# KiCad board Si5351ABreakout_panel.kicad_pcb (continued)
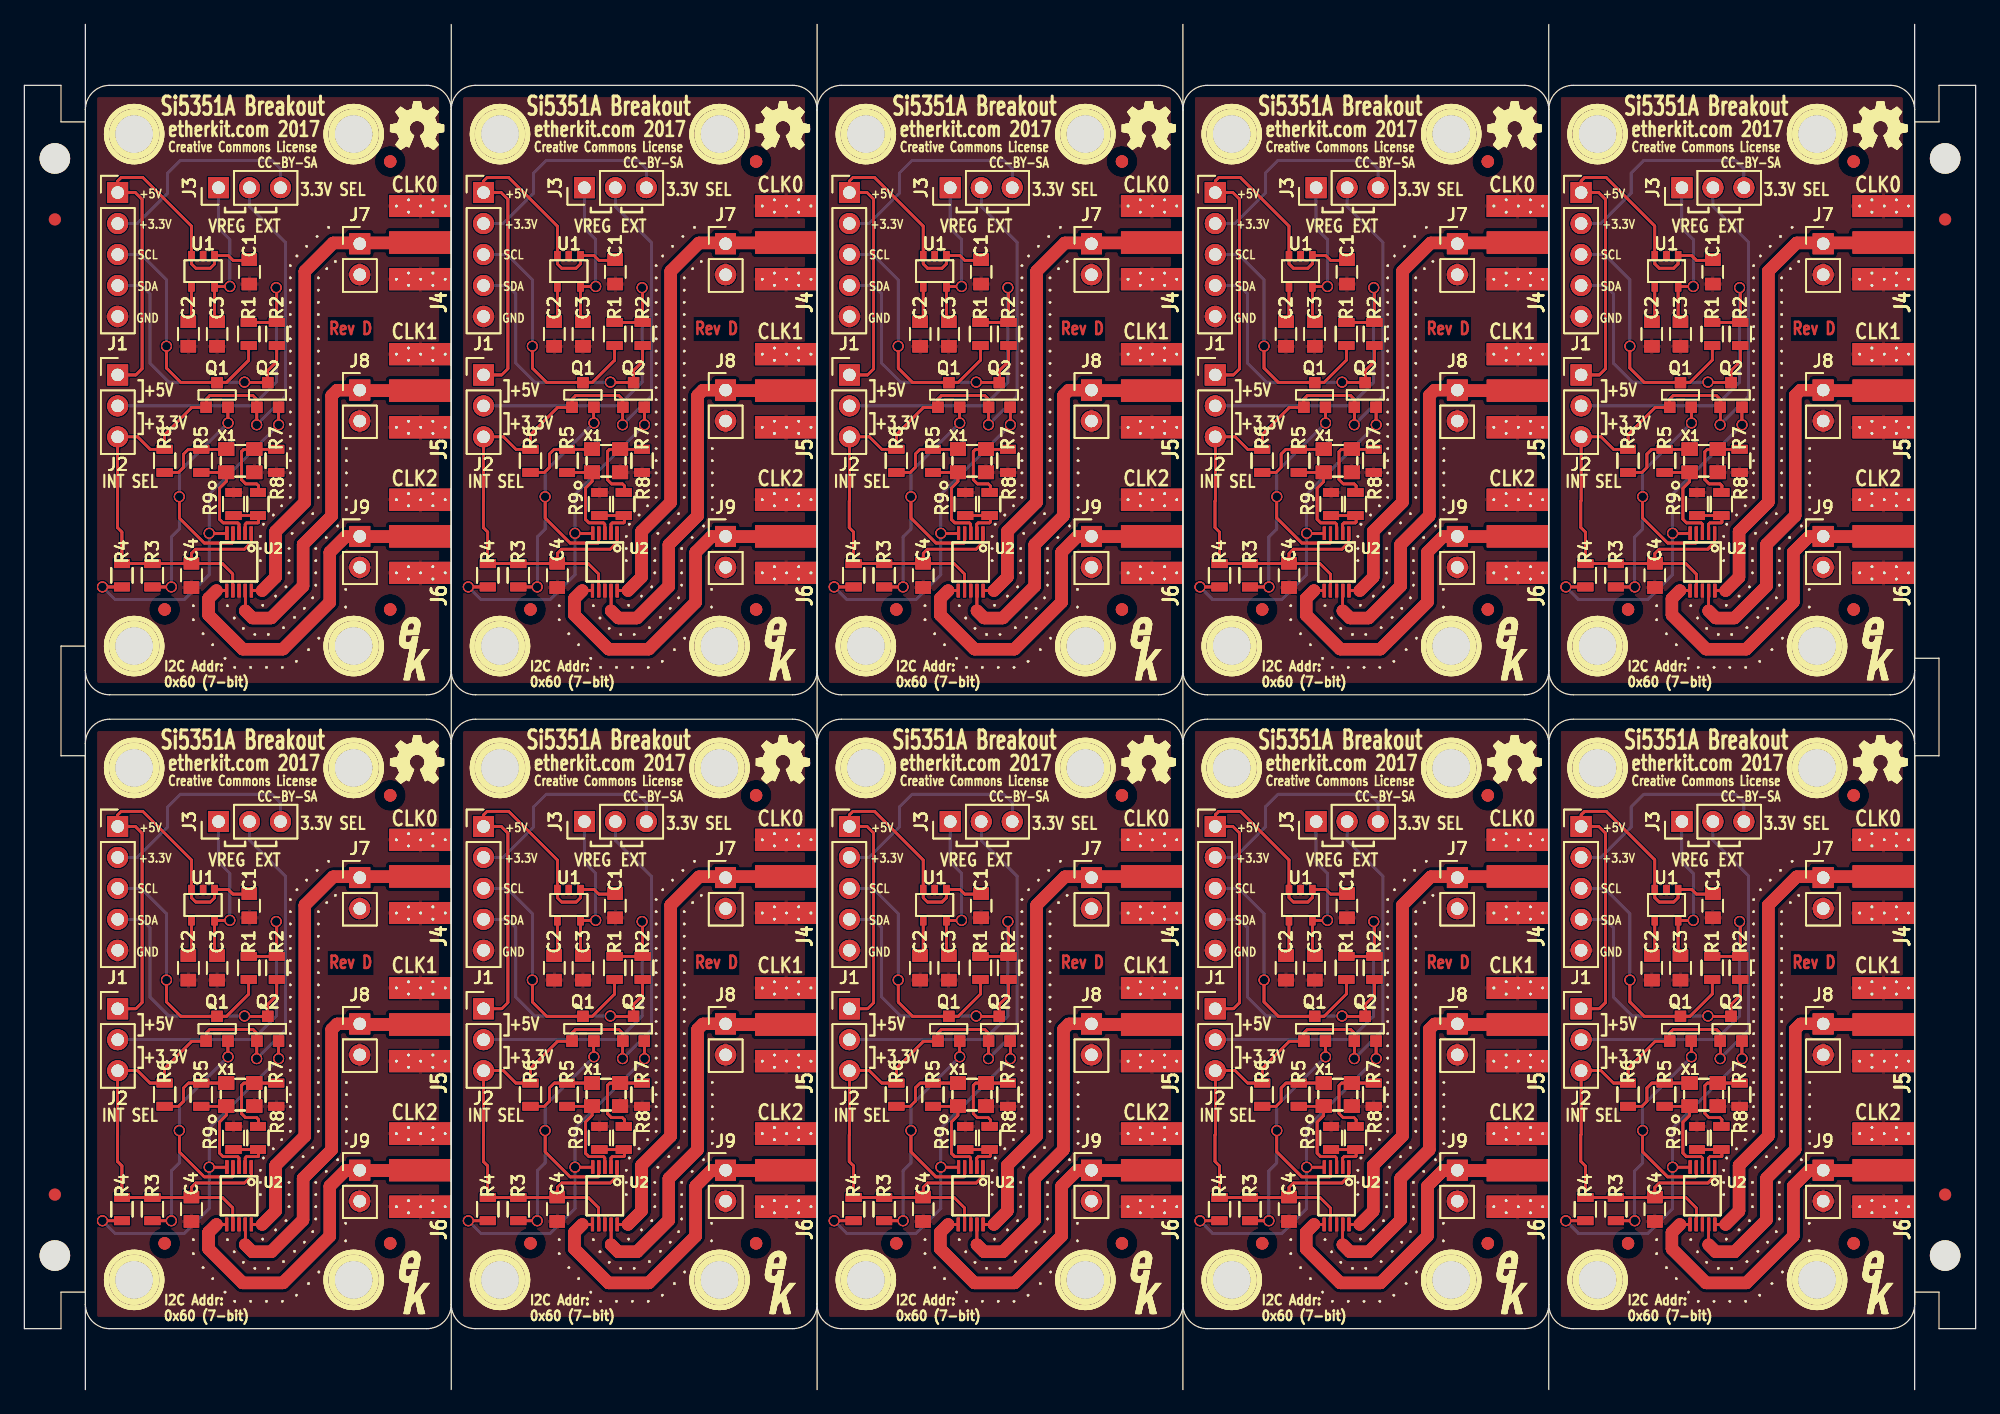
[diagram p0: board, top side]
## Placement (name value [footprint] x y rotation side) (continued)
VIA#1909  VAL**  [VIA]  82.15 11.35 0 top
VIA#1910  VAL**  [VIA]  81.25 10.5 0 top
VIA#1911  VAL**  [VIA]  82.15 11.35 0 top
VIA#1912  VAL**  [VIA]  81.25 10.5 0 top
VIA#1913  VAL**  [VIA]  81.25 10.5 0 top
VIA#1914  VAL**  [VIA]  80 9.95 0 top
VIA#1915  VAL**  [VIA]  80 9.95 0 top
VIA#1916  VAL**  [VIA]  80 9.95 0 top
VIA#1917  VAL**  [VIA]  80 9.95 0 top
VIA#1918  VAL**  [VIA]  81.15 7.25 0 top
VIA#1919  VAL**  [VIA]  82.3 7.75 0 top
VIA#1920  VAL**  [VIA]  81.15 7.25 0 top
VIA#1921  VAL**  [VIA]  82.3 7.75 0 top
VIA#1922  VAL**  [VIA]  82.3 7.75 0 top
VIA#1923  VAL**  [VIA]  82.3 7.75 0 top
VIA#1924  VAL**  [VIA]  55.7 18.85 0 top
VIA#1925  VAL**  [VIA]  55.7 18.85 0 top
VIA#1926  VAL**  [VIA]  55.7 18.85 0 top
VIA#1927  VAL**  [VIA]  54.75 17.9 0 top
VIA#1928  VAL**  [VIA]  54.75 17.9 0 top
VIA#1929  VAL**  [VIA]  54.75 17.9 0 top
VIA#1930  VAL**  [VIA]  54.75 17.9 0 top
VIA#1931  VAL**  [VIA]  56.4 22.2 0 top
VIA#1932  VAL**  [VIA]  56.4 24.2 0 top
VIA#1933  VAL**  [VIA]  56.4 23.2 0 top
VIA#1934  VAL**  [VIA]  56.4 24.2 0 top
VIA#1935  VAL**  [VIA]  56.4 23.2 0 top
VIA#1936  VAL**  [VIA]  56.4 24.2 0 top
VIA#1937  VAL**  [VIA]  56.4 23.2 0 top
VIA#1938  VAL**  [VIA]  56.4 22.2 0 top
VIA#1939  VAL**  [VIA]  56.4 25.2 0 top
VIA#1940  VAL**  [VIA]  56.4 25.2 0 top
VIA#1941  VAL**  [VIA]  56.4 25.2 0 top
VIA#1942  VAL**  [VIA]  55.7 18.85 0 top
VIA#1943  VAL**  [VIA]  56.4 21.2 0 top
VIA#1944  VAL**  [VIA]  56.4 20.2 0 top
VIA#1945  VAL**  [VIA]  56.4 21.2 0 top
VIA#1946  VAL**  [VIA]  56.4 21.2 0 top
VIA#1947  VAL**  [VIA]  56.4 21.2 0 top
VIA#1948  VAL**  [VIA]  56.4 20.2 0 top
VIA#1949  VAL**  [VIA]  56.4 20.2 0 top
VIA#1950  VAL**  [VIA]  56.4 20.2 0 top
VIA#1951  VAL**  [VIA]  56.35 13.65 0 top
VIA#1952  VAL**  [VIA]  56.35 12.2 0 top
VIA#1953  VAL**  [VIA]  56.35 13.65 0 top
VIA#1954  VAL**  [VIA]  56.35 13.65 0 top
VIA#1955  VAL**  [VIA]  56.35 12.2 0 top
VIA#1956  VAL**  [VIA]  56.35 13.65 0 top
VIA#1957  VAL**  [VIA]  56.35 12.2 0 top
VIA#1958  VAL**  [VIA]  56.35 12.2 0 top
VIA#1959  VAL**  [VIA]  73.85 12.3 0 top
VIA#1960  VAL**  [VIA]  79.35 16 0 top
VIA#1961  VAL**  [VIA]  79.35 16 0 top
VIA#1962  VAL**  [VIA]  80.6 13.1 0 top
VIA#1963  VAL**  [VIA]  80.6 13.1 0 top
VIA#1964  VAL**  [VIA]  80.6 13.1 0 top
VIA#1965  VAL**  [VIA]  81.45 13.85 0 top
VIA#1966  VAL**  [VIA]  81.45 13.85 0 top
VIA#1967  VAL**  [VIA]  80.6 13.1 0 top
VIA#1968  VAL**  [VIA]  81.45 13.85 0 top
VIA#1969  VAL**  [VIA]  81.45 13.85 0 top
VIA#1970  VAL**  [VIA]  81.7 15 0 top
VIA#1971  VAL**  [VIA]  81.7 15 0 top
VIA#1972  VAL**  [VIA]  81.7 16 0 top
VIA#1973  VAL**  [VIA]  81.7 15 0 top
VIA#1974  VAL**  [VIA]  81.7 15 0 top
VIA#1975  VAL**  [VIA]  81.7 16 0 top
VIA#1976  VAL**  [VIA]  81.7 16 0 top
VIA#1977  VAL**  [VIA]  79.35 16 0 top
VIA#1978  VAL**  [VIA]  79.35 17 0 top
VIA#1979  VAL**  [VIA]  81.7 17 0 top
VIA#1980  VAL**  [VIA]  81.7 16 0 top
VIA#1981  VAL**  [VIA]  79.35 16 0 top
VIA#1982  VAL**  [VIA]  79.35 17 0 top
VIA#1983  VAL**  [VIA]  79.35 17 0 top
VIA#1984  VAL**  [VIA]  79.35 18 0 top
VIA#1985  VAL**  [VIA]  79.35 18 0 top
VIA#1986  VAL**  [VIA]  79.35 17 0 top
VIA#1987  VAL**  [VIA]  75.45 9.1 0 top
VIA#1988  VAL**  [VIA]  75.45 9.1 0 top
VIA#1989  VAL**  [VIA]  75.45 9.1 0 top
VIA#1990  VAL**  [VIA]  74.65 10 0 top
VIA#1991  VAL**  [VIA]  75.45 9.1 0 top
VIA#1992  VAL**  [VIA]  74.65 10 0 top
VIA#1993  VAL**  [VIA]  77.25 7.25 0 top
VIA#1994  VAL**  [VIA]  76.45 8 0 top
VIA#1995  VAL**  [VIA]  76.45 8 0 top
VIA#1996  VAL**  [VIA]  77.25 7.25 0 top
VIA#1997  VAL**  [VIA]  76.45 8 0 top
VIA#1998  VAL**  [VIA]  77.25 7.25 0 top
VIA#1999  VAL**  [VIA]  76.45 8 0 top
VIA#2000  VAL**  [VIA]  77.2 11.3 0 top
VIA#2001  VAL**  [VIA]  76.65 12.3 0 top
VIA#2002  VAL**  [VIA]  77.2 11.3 0 top
VIA#2003  VAL**  [VIA]  76.65 12.3 0 top
VIA#2004  VAL**  [VIA]  76.65 12.3 0 top
VIA#2005  VAL**  [VIA]  77.2 11.3 0 top
VIA#2006  VAL**  [VIA]  77.2 11.3 0 top
VIA#2007  VAL**  [VIA]  76.65 12.3 0 top
VIA#2008  VAL**  [VIA]  74.65 10 0 top
VIA#2009  VAL**  [VIA]  74.65 10 0 top
VIA#2010  VAL**  [VIA]  73.85 11.15 0 top
VIA#2011  VAL**  [VIA]  73.85 11.15 0 top
VIA#2012  VAL**  [VIA]  73.85 11.15 0 top
VIA#2013  VAL**  [VIA]  73.85 11.15 0 top
VIA#2014  VAL**  [VIA]  73.85 12.3 0 top
VIA#2015  VAL**  [VIA]  73.85 12.3 0 top
VIA#2016  VAL**  [VIA]  73.85 12.3 0 top
VIA#2017  VAL**  [VIA]  77.25 7.25 0 top
VIA#2018  VAL**  [VIA]  78.55 7.25 0 top
VIA#2019  VAL**  [VIA]  78.55 7.25 0 top
VIA#2020  VAL**  [VIA]  78.55 7.25 0 top
VIA#2021  VAL**  [VIA]  78.55 7.25 0 top
VIA#2022  VAL**  [VIA]  77.95 10.45 0 top
VIA#2023  VAL**  [VIA]  78.9 9.95 0 top
VIA#2024  VAL**  [VIA]  77.95 10.45 0 top
VIA#2025  VAL**  [VIA]  77.95 10.45 0 top
VIA#2026  VAL**  [VIA]  77.95 10.45 0 top
VIA#2027  VAL**  [VIA]  78.9 9.95 0 top
VIA#2028  VAL**  [VIA]  78.9 9.95 0 top
VIA#2029  VAL**  [VIA]  78.9 9.95 0 top
VIA#2030  VAL**  [VIA]  79.55 12.35 0 top
VIA#2031  VAL**  [VIA]  79.55 12.35 0 top
VIA#2032  VAL**  [VIA]  79.55 12.35 0 top
VIA#2033  VAL**  [VIA]  79.55 12.35 0 top
VIA#2034  VAL**  [VIA]  81.7 17 0 top
VIA#2035  VAL**  [VIA]  81.7 17 0 top
VIA#2036  VAL**  [VIA]  81.7 17 0 top
VIA#2037  VAL**  [VIA]  81.95 18.25 0 top
VIA#2038  VAL**  [VIA]  80.4 19.75 0 top
VIA#2039  VAL**  [VIA]  80.4 19.75 0 top
VIA#2040  VAL**  [VIA]  81.8 27.2 0 top
VIA#2041  VAL**  [VIA]  81.8 28.2 0 top
VIA#2042  VAL**  [VIA]  81.8 29.2 0 top
VIA#2043  VAL**  [VIA]  81.8 28.2 0 top
VIA#2044  VAL**  [VIA]  81.8 29.2 0 top
VIA#2045  VAL**  [VIA]  79.6 19 0 top
VIA#2046  VAL**  [VIA]  79.6 19 0 top
VIA#2047  VAL**  [VIA]  79.35 18 0 top
VIA#2048  VAL**  [VIA]  79.35 18 0 top
VIA#2049  VAL**  [VIA]  81.1 20.5 0 top
VIA#2050  VAL**  [VIA]  81.8 22.2 0 top
VIA#2051  VAL**  [VIA]  81.8 21.2 0 top
VIA#2052  VAL**  [VIA]  81.8 21.2 0 top
VIA#2053  VAL**  [VIA]  81.8 22.2 0 top
VIA#2054  VAL**  [VIA]  81.8 23.2 0 top
VIA#2055  VAL**  [VIA]  81.8 24.2 0 top
VIA#2056  VAL**  [VIA]  81.8 25.2 0 top
VIA#2057  VAL**  [VIA]  81.8 26.2 0 top
VIA#2058  VAL**  [VIA]  25.7 18.85 0 top
VIA#2059  VAL**  [VIA]  22.85 19.1 0 top
VIA#2060  VAL**  [VIA]  22.85 19.1 0 top
VIA#2061  VAL**  [VIA]  23.65 19.85 0 top
VIA#2062  VAL**  [VIA]  23.65 19.85 0 top
VIA#2063  VAL**  [VIA]  22.85 19.1 0 top
VIA#2064  VAL**  [VIA]  22.85 19.1 0 top
VIA#2065  VAL**  [VIA]  23.65 19.85 0 top
VIA#2066  VAL**  [VIA]  23.65 19.85 0 top
VIA#2067  VAL**  [VIA]  26.4 20.2 0 top
VIA#2068  VAL**  [VIA]  26.4 21.2 0 top
VIA#2069  VAL**  [VIA]  25.7 18.85 0 top
VIA#2070  VAL**  [VIA]  25.7 18.85 0 top
VIA#2071  VAL**  [VIA]  25.7 18.85 0 top
VIA#2072  VAL**  [VIA]  26.4 20.2 0 top
VIA#2073  VAL**  [VIA]  26.4 20.2 0 top
VIA#2074  VAL**  [VIA]  26.4 21.2 0 top
VIA#2075  VAL**  [VIA]  26.4 21.2 0 top
VIA#2076  VAL**  [VIA]  26.4 21.2 0 top
VIA#2077  VAL**  [VIA]  26.4 20.2 0 top
VIA#2078  VAL**  [VIA]  21.8 21.2 0 top
VIA#2079  VAL**  [VIA]  21.8 21.2 0 top
VIA#2080  VAL**  [VIA]  24.1 21.2 0 top
VIA#2081  VAL**  [VIA]  21.8 21.2 0 top
VIA#2082  VAL**  [VIA]  21.8 21.2 0 top
VIA#2083  VAL**  [VIA]  24.1 25.2 0 top
VIA#2084  VAL**  [VIA]  24.1 25.2 0 top
VIA#2085  VAL**  [VIA]  24.1 26.2 0 top
VIA#2086  VAL**  [VIA]  24.1 26.2 0 top
VIA#2087  VAL**  [VIA]  24.1 21.2 0 top
VIA#2088  VAL**  [VIA]  24.1 22.2 0 top
VIA#2089  VAL**  [VIA]  24.1 21.2 0 top
VIA#2090  VAL**  [VIA]  24.1 22.2 0 top
VIA#2091  VAL**  [VIA]  24.1 21.2 0 top
VIA#2092  VAL**  [VIA]  21.8 25.2 0 top
VIA#2093  VAL**  [VIA]  21.8 26.2 0 top
VIA#2094  VAL**  [VIA]  24.1 23.2 0 top
VIA#2095  VAL**  [VIA]  24.1 24.2 0 top
VIA#2096  VAL**  [VIA]  24.1 24.2 0 top
VIA#2097  VAL**  [VIA]  24.1 23.2 0 top
VIA#2098  VAL**  [VIA]  19.35 18 0 top
VIA#2099  VAL**  [VIA]  19.35 16 0 top
VIA#2100  VAL**  [VIA]  19.35 17 0 top
VIA#2101  VAL**  [VIA]  21.1 20.5 0 top
VIA#2102  VAL**  [VIA]  21.1 20.5 0 top
VIA#2103  VAL**  [VIA]  20.4 19.75 0 top
VIA#2104  VAL**  [VIA]  21.1 20.5 0 top
VIA#2105  VAL**  [VIA]  21.1 20.5 0 top
VIA#2106  VAL**  [VIA]  20.4 19.75 0 top
VIA#2107  VAL**  [VIA]  20.4 19.75 0 top
VIA#2108  VAL**  [VIA]  20.4 19.75 0 top
VIA#2109  VAL**  [VIA]  19.6 19 0 top
VIA#2110  VAL**  [VIA]  19.6 19 0 top
VIA#2111  VAL**  [VIA]  19.6 19 0 top
VIA#2112  VAL**  [VIA]  19.6 19 0 top
VIA#2113  VAL**  [VIA]  54.1 21.2 0 top
VIA#2114  VAL**  [VIA]  54.1 21.2 0 top
VIA#2115  VAL**  [VIA]  54.1 22.2 0 top
VIA#2116  VAL**  [VIA]  54.1 21.2 0 top
VIA#2117  VAL**  [VIA]  54.1 22.2 0 top
VIA#2118  VAL**  [VIA]  54.1 22.2 0 top
VIA#2119  VAL**  [VIA]  54.1 22.2 0 top
VIA#2120  VAL**  [VIA]  54.1 21.2 0 top
VIA#2121  VAL**  [VIA]  51.8 22.2 0 top
VIA#2122  VAL**  [VIA]  51.8 21.2 0 top
VIA#2123  VAL**  [VIA]  51.8 21.2 0 top
VIA#2124  VAL**  [VIA]  51.8 21.2 0 top
VIA#2125  VAL**  [VIA]  51.8 21.2 0 top
VIA#2126  VAL**  [VIA]  52.85 19.1 0 top
VIA#2127  VAL**  [VIA]  53.65 19.85 0 top
VIA#2128  VAL**  [VIA]  52.85 19.1 0 top
VIA#2129  VAL**  [VIA]  52.85 19.1 0 top
VIA#2130  VAL**  [VIA]  53.65 19.85 0 top
VIA#2131  VAL**  [VIA]  52.85 19.1 0 top
VIA#2132  VAL**  [VIA]  53.65 19.85 0 top
VIA#2133  VAL**  [VIA]  53.65 19.85 0 top
VIA#2134  VAL**  [VIA]  54.1 23.2 0 top
VIA#2135  VAL**  [VIA]  54.1 23.2 0 top
VIA#2136  VAL**  [VIA]  54.1 23.2 0 top
VIA#2137  VAL**  [VIA]  54.1 23.2 0 top
VIA#2138  VAL**  [VIA]  51.8 22.2 0 top
VIA#2139  VAL**  [VIA]  51.8 22.2 0 top
VIA#2140  VAL**  [VIA]  51.8 22.2 0 top
VIA#2141  VAL**  [VIA]  51.8 23.2 0 top
VIA#2142  VAL**  [VIA]  51.8 23.2 0 top
VIA#2143  VAL**  [VIA]  51.8 23.2 0 top
VIA#2144  VAL**  [VIA]  51.8 23.2 0 top
VIA#2145  VAL**  [VIA]  49.35 16 0 top
VIA#2146  VAL**  [VIA]  49.35 16 0 top
VIA#2147  VAL**  [VIA]  49.35 16 0 top
VIA#2148  VAL**  [VIA]  49.35 16 0 top
VIA#2149  VAL**  [VIA]  49.6 19 0 top
VIA#2150  VAL**  [VIA]  49.6 19 0 top
VIA#2151  VAL**  [VIA]  49.6 19 0 top
VIA#2152  VAL**  [VIA]  49.6 19 0 top
VIA#2153  VAL**  [VIA]  47.95 10.45 0 top
VIA#2154  VAL**  [VIA]  47.95 10.45 0 top
VIA#2155  VAL**  [VIA]  47.95 10.45 0 top
VIA#2156  VAL**  [VIA]  47.95 10.45 0 top
VIA#2157  VAL**  [VIA]  49.55 12.35 0 top
VIA#2158  VAL**  [VIA]  49.35 18 0 top
VIA#2159  VAL**  [VIA]  49.35 17 0 top
VIA#2160  VAL**  [VIA]  49.35 17 0 top
VIA#2161  VAL**  [VIA]  49.35 17 0 top
VIA#2162  VAL**  [VIA]  49.35 18 0 top
VIA#2163  VAL**  [VIA]  49.35 18 0 top
VIA#2164  VAL**  [VIA]  49.35 18 0 top
VIA#2165  VAL**  [VIA]  49.35 17 0 top
VIA#2166  VAL**  [VIA]  47.2 11.3 0 top
VIA#2167  VAL**  [VIA]  47.2 11.3 0 top
VIA#2168  VAL**  [VIA]  47.2 11.3 0 top
VIA#2169  VAL**  [VIA]  47.2 11.3 0 top
VIA#2170  VAL**  [VIA]  46.65 12.3 0 top
VIA#2171  VAL**  [VIA]  46.65 12.3 0 top
VIA#2172  VAL**  [VIA]  46.65 12.3 0 top
VIA#2173  VAL**  [VIA]  46.65 12.3 0 top
VIA#2174  VAL**  [VIA]  51.7 15 0 top
VIA#2175  VAL**  [VIA]  53.65 12.95 0 top
VIA#2176  VAL**  [VIA]  53.65 12.95 0 top
VIA#2177  VAL**  [VIA]  51.7 15 0 top
VIA#2178  VAL**  [VIA]  51.7 15 0 top
VIA#2179  VAL**  [VIA]  53.65 12.95 0 top
VIA#2180  VAL**  [VIA]  53.65 12.95 0 top
VIA#2181  VAL**  [VIA]  51.7 15 0 top
VIA#2182  VAL**  [VIA]  53.9 14 0 top
VIA#2183  VAL**  [VIA]  53.9 14 0 top
VIA#2184  VAL**  [VIA]  53.9 14 0 top
VIA#2185  VAL**  [VIA]  53.9 15 0 top
VIA#2186  VAL**  [VIA]  53.9 15 0 top
VIA#2187  VAL**  [VIA]  53.9 15 0 top
VIA#2188  VAL**  [VIA]  53.9 15 0 top
VIA#2189  VAL**  [VIA]  53.9 14 0 top
VIA#2190  VAL**  [VIA]  51.45 13.85 0 top
VIA#2191  VAL**  [VIA]  51.45 13.85 0 top
VIA#2192  VAL**  [VIA]  50.6 13.1 0 top
VIA#2193  VAL**  [VIA]  50.6 13.1 0 top
VIA#2194  VAL**  [VIA]  50.6 13.1 0 top
VIA#2195  VAL**  [VIA]  50.6 13.1 0 top
VIA#2196  VAL**  [VIA]  51.45 13.85 0 top
VIA#2197  VAL**  [VIA]  51.45 13.85 0 top
VIA#2198  VAL**  [VIA]  51.7 16 0 top
VIA#2199  VAL**  [VIA]  51.7 17 0 top
VIA#2200  VAL**  [VIA]  51.7 16 0 top
VIA#2201  VAL**  [VIA]  51.7 16 0 top
VIA#2202  VAL**  [VIA]  51.7 16 0 top
VIA#2203  VAL**  [VIA]  51.7 17 0 top
VIA#2204  VAL**  [VIA]  53.9 16 0 top
VIA#2205  VAL**  [VIA]  53.9 17 0 top
VIA#2206  VAL**  [VIA]  53.9 17 0 top
VIA#2207  VAL**  [VIA]  53.9 17 0 top
VIA#2208  VAL**  [VIA]  53.9 17 0 top
VIA#2209  VAL**  [VIA]  53.9 16 0 top
VIA#2210  VAL**  [VIA]  53.9 16 0 top
VIA#2211  VAL**  [VIA]  53.9 16 0 top
VIA#2212  VAL**  [VIA]  51.7 17 0 top
VIA#2213  VAL**  [VIA]  51.7 17 0 top
VIA#2214  VAL**  [VIA]  51.95 18.25 0 top
VIA#2215  VAL**  [VIA]  51.95 18.25 0 top
VIA#2216  VAL**  [VIA]  51.95 18.25 0 top
VIA#2217  VAL**  [VIA]  51.95 18.25 0 top
VIA#2218  VAL**  [VIA]  46.45 8 0 top
VIA#2219  VAL**  [VIA]  46.45 8 0 top
VIA#2220  VAL**  [VIA]  47.25 7.25 0 top
VIA#2221  VAL**  [VIA]  46.45 8 0 top
VIA#2222  VAL**  [VIA]  46.45 8 0 top
VIA#2223  VAL**  [VIA]  49.85 7.25 0 top
VIA#2224  VAL**  [VIA]  49.85 7.25 0 top
VIA#2225  VAL**  [VIA]  49.85 7.25 0 top
VIA#2226  VAL**  [VIA]  51.15 7.25 0 top
VIA#2227  VAL**  [VIA]  51.15 7.25 0 top
VIA#2228  VAL**  [VIA]  49.85 7.25 0 top
VIA#2229  VAL**  [VIA]  51.15 7.25 0 top
VIA#2230  VAL**  [VIA]  51.15 7.25 0 top
VIA#2231  VAL**  [VIA]  52.3 7.75 0 top
VIA#2232  VAL**  [VIA]  52.3 7.75 0 top
VIA#2233  VAL**  [VIA]  52.3 7.75 0 top
VIA#2234  VAL**  [VIA]  52.3 7.75 0 top
VIA#2235  VAL**  [VIA]  54.15 9.65 0 top
VIA#2236  VAL**  [VIA]  53.3 8.7 0 top
VIA#2237  VAL**  [VIA]  53.3 8.7 0 top
VIA#2238  VAL**  [VIA]  53.3 8.7 0 top
VIA#2239  VAL**  [VIA]  54.15 9.65 0 top
VIA#2240  VAL**  [VIA]  54.15 9.65 0 top
VIA#2241  VAL**  [VIA]  54.15 9.65 0 top
VIA#2242  VAL**  [VIA]  53.3 8.7 0 top
VIA#2243  VAL**  [VIA]  48.9 9.95 0 top
VIA#2244  VAL**  [VIA]  48.9 9.95 0 top
VIA#2245  VAL**  [VIA]  50 9.95 0 top
VIA#2246  VAL**  [VIA]  50 9.95 0 top
VIA#2247  VAL**  [VIA]  48.9 9.95 0 top
VIA#2248  VAL**  [VIA]  50 9.95 0 top
VIA#2249  VAL**  [VIA]  50 9.95 0 top
VIA#2250  VAL**  [VIA]  48.9 9.95 0 top
VIA#2251  VAL**  [VIA]  52.15 11.35 0 top
VIA#2252  VAL**  [VIA]  52.15 11.35 0 top
VIA#2253  VAL**  [VIA]  52.95 12.1 0 top
VIA#2254  VAL**  [VIA]  52.95 12.1 0 top
VIA#2255  VAL**  [VIA]  52.15 11.35 0 top
VIA#2256  VAL**  [VIA]  52.95 12.1 0 top
VIA#2257  VAL**  [VIA]  52.95 12.1 0 top
VIA#2258  VAL**  [VIA]  52.15 11.35 0 top
VIA#2259  VAL**  [VIA]  49.55 12.35 0 top
VIA#2260  VAL**  [VIA]  51.25 10.5 0 top
VIA#2261  VAL**  [VIA]  51.25 10.5 0 top
VIA#2262  VAL**  [VIA]  49.55 12.35 0 top
VIA#2263  VAL**  [VIA]  51.25 10.5 0 top
VIA#2264  VAL**  [VIA]  49.55 12.35 0 top
VIA#2265  VAL**  [VIA]  51.25 10.5 0 top
VIA#2266  VAL**  [VIA]  47.25 7.25 0 top
VIA#2267  VAL**  [VIA]  47.25 7.25 0 top
VIA#2268  VAL**  [VIA]  47.25 7.25 0 top
VIA#2269  VAL**  [VIA]  48.55 7.25 0 top
VIA#2270  VAL**  [VIA]  48.55 7.25 0 top
VIA#2271  VAL**  [VIA]  48.55 7.25 0 top
VIA#2272  VAL**  [VIA]  48.55 7.25 0 top
VIA#2273  VAL**  [VIA]  43.85 11.15 0 top
VIA#2274  VAL**  [VIA]  43.85 11.15 0 top
VIA#2275  VAL**  [VIA]  43.85 11.15 0 top
VIA#2276  VAL**  [VIA]  43.85 11.15 0 top
VIA#2277  VAL**  [VIA]  45.45 9.1 0 top
VIA#2278  VAL**  [VIA]  44.65 10 0 top
VIA#2279  VAL**  [VIA]  45.45 9.1 0 top
VIA#2280  VAL**  [VIA]  45.45 9.1 0 top
VIA#2281  VAL**  [VIA]  44.65 10 0 top
VIA#2282  VAL**  [VIA]  45.45 9.1 0 top
VIA#2283  VAL**  [VIA]  44.65 10 0 top
VIA#2284  VAL**  [VIA]  44.65 10 0 top
VIA#2285  VAL**  [VIA]  43.85 12.3 0 top
VIA#2286  VAL**  [VIA]  43.85 12.3 0 top
VIA#2287  VAL**  [VIA]  43.85 12.3 0 top
VIA#2288  VAL**  [VIA]  43.85 12.3 0 top
VIA#2289  VAL**  [VIA]  18.9 9.95 0 top
VIA#2290  VAL**  [VIA]  17.95 10.45 0 top
VIA#2291  VAL**  [VIA]  18.9 9.95 0 top
VIA#2292  VAL**  [VIA]  18.9 9.95 0 top
VIA#2293  VAL**  [VIA]  17.95 10.45 0 top
VIA#2294  VAL**  [VIA]  18.9 9.95 0 top
VIA#2295  VAL**  [VIA]  17.95 10.45 0 top
VIA#2296  VAL**  [VIA]  17.95 10.45 0 top
VIA#2297  VAL**  [VIA]  22.15 11.35 0 top
VIA#2298  VAL**  [VIA]  22.15 11.35 0 top
VIA#2299  VAL**  [VIA]  22.15 11.35 0 top
VIA#2300  VAL**  [VIA]  22.15 11.35 0 top
VIA#2301  VAL**  [VIA]  17.2 11.3 0 top
VIA#2302  VAL**  [VIA]  16.65 12.3 0 top
VIA#2303  VAL**  [VIA]  17.2 11.3 0 top
VIA#2304  VAL**  [VIA]  17.2 11.3 0 top
VIA#2305  VAL**  [VIA]  16.65 12.3 0 top
VIA#2306  VAL**  [VIA]  16.65 12.3 0 top
VIA#2307  VAL**  [VIA]  17.2 11.3 0 top
VIA#2308  VAL**  [VIA]  16.65 12.3 0 top
VIA#2309  VAL**  [VIA]  21.25 10.5 0 top
VIA#2310  VAL**  [VIA]  20 9.95 0 top
VIA#2311  VAL**  [VIA]  21.25 10.5 0 top
VIA#2312  VAL**  [VIA]  21.25 10.5 0 top
VIA#2313  VAL**  [VIA]  20 9.95 0 top
VIA#2314  VAL**  [VIA]  20 9.95 0 top
VIA#2315  VAL**  [VIA]  21.25 10.5 0 top
VIA#2316  VAL**  [VIA]  20 9.95 0 top
VIA#2317  VAL**  [VIA]  19.55 12.35 0 top
VIA#2318  VAL**  [VIA]  20.6 13.1 0 top
VIA#2319  VAL**  [VIA]  20.6 13.1 0 top
VIA#2320  VAL**  [VIA]  20.6 13.1 0 top
VIA#2321  VAL**  [VIA]  19.55 12.35 0 top
VIA#2322  VAL**  [VIA]  19.55 12.35 0 top
VIA#2323  VAL**  [VIA]  19.55 12.35 0 top
VIA#2324  VAL**  [VIA]  20.6 13.1 0 top
VIA#2325  VAL**  [VIA]  15.45 9.1 0 top
VIA#2326  VAL**  [VIA]  14.65 10 0 top
VIA#2327  VAL**  [VIA]  15.45 9.1 0 top
VIA#2328  VAL**  [VIA]  15.45 9.1 0 top
VIA#2329  VAL**  [VIA]  14.65 10 0 top
VIA#2330  VAL**  [VIA]  14.65 10 0 top
VIA#2331  VAL**  [VIA]  15.45 9.1 0 top
VIA#2332  VAL**  [VIA]  14.65 10 0 top
VIA#2333  VAL**  [VIA]  13.85 12.3 0 top
VIA#2334  VAL**  [VIA]  13.85 12.3 0 top
VIA#2335  VAL**  [VIA]  13.85 12.3 0 top
VIA#2336  VAL**  [VIA]  13.85 11.15 0 top
VIA#2337  VAL**  [VIA]  13.85 11.15 0 top
VIA#2338  VAL**  [VIA]  13.85 11.15 0 top
VIA#2339  VAL**  [VIA]  13.85 11.15 0 top
VIA#2340  VAL**  [VIA]  13.85 12.3 0 top
VIA#2341  VAL**  [VIA]  24.15 9.65 0 top
VIA#2342  VAL**  [VIA]  24.15 9.65 0 top
VIA#2343  VAL**  [VIA]  22.95 12.1 0 top
VIA#2344  VAL**  [VIA]  22.95 12.1 0 top
VIA#2345  VAL**  [VIA]  22.95 12.1 0 top
VIA#2346  VAL**  [VIA]  24.15 9.65 0 top
VIA#2347  VAL**  [VIA]  24.15 9.65 0 top
VIA#2348  VAL**  [VIA]  22.95 12.1 0 top
VIA#2349  VAL**  [VIA]  26.35 12.2 0 top
VIA#2350  VAL**  [VIA]  26.35 12.2 0 top
VIA#2351  VAL**  [VIA]  26.35 13.65 0 top
VIA#2352  VAL**  [VIA]  26.35 13.65 0 top
VIA#2353  VAL**  [VIA]  26.35 12.2 0 top
VIA#2354  VAL**  [VIA]  26.35 13.65 0 top
VIA#2355  VAL**  [VIA]  26.35 13.65 0 top
VIA#2356  VAL**  [VIA]  26.35 12.2 0 top
VIA#2357  VAL**  [VIA]  23.9 14 0 top
VIA#2358  VAL**  [VIA]  23.65 12.95 0 top
VIA#2359  VAL**  [VIA]  23.65 12.95 0 top
VIA#2360  VAL**  [VIA]  23.65 12.95 0 top
VIA#2361  VAL**  [VIA]  23.65 12.95 0 top
VIA#2362  VAL**  [VIA]  19.85 7.25 0 top
VIA#2363  VAL**  [VIA]  18.55 7.25 0 top
VIA#2364  VAL**  [VIA]  19.85 7.25 0 top
VIA#2365  VAL**  [VIA]  19.85 7.25 0 top
VIA#2366  VAL**  [VIA]  18.55 7.25 0 top
VIA#2367  VAL**  [VIA]  18.55 7.25 0 top
VIA#2368  VAL**  [VIA]  19.85 7.25 0 top
VIA#2369  VAL**  [VIA]  18.55 7.25 0 top
VIA#2370  VAL**  [VIA]  22.3 7.75 0 top
VIA#2371  VAL**  [VIA]  22.3 7.75 0 top
VIA#2372  VAL**  [VIA]  22.3 7.75 0 top
VIA#2373  VAL**  [VIA]  21.15 7.25 0 top
VIA#2374  VAL**  [VIA]  21.15 7.25 0 top
VIA#2375  VAL**  [VIA]  21.15 7.25 0 top
VIA#2376  VAL**  [VIA]  22.3 7.75 0 top
VIA#2377  VAL**  [VIA]  21.15 7.25 0 top
VIA#2378  VAL**  [VIA]  17.25 7.25 0 top
VIA#2379  VAL**  [VIA]  16.45 8 0 top
VIA#2380  VAL**  [VIA]  17.25 7.25 0 top
VIA#2381  VAL**  [VIA]  17.25 7.25 0 top
VIA#2382  VAL**  [VIA]  16.45 8 0 top
VIA#2383  VAL**  [VIA]  16.45 8 0 top
VIA#2384  VAL**  [VIA]  17.25 7.25 0 top
VIA#2385  VAL**  [VIA]  16.45 8 0 top
VIA#2386  VAL**  [VIA]  23.3 8.7 0 top
VIA#2387  VAL**  [VIA]  23.3 8.7 0 top
VIA#2388  VAL**  [VIA]  23.3 8.7 0 top
VIA#2389  VAL**  [VIA]  23.3 8.7 0 top
VIA#2390  VAL**  [VIA]  19.35 18 0 top
VIA#2391  VAL**  [VIA]  19.35 17 0 top
VIA#2392  VAL**  [VIA]  19.35 18 0 top
VIA#2393  VAL**  [VIA]  19.35 18 0 top
VIA#2394  VAL**  [VIA]  19.35 16 0 top
VIA#2395  VAL**  [VIA]  19.35 17 0 top
VIA#2396  VAL**  [VIA]  19.35 16 0 top
VIA#2397  VAL**  [VIA]  19.35 17 0 top
VIA#2398  VAL**  [VIA]  19.35 16 0 top
VIA#2399  VAL**  [VIA]  21.7 16 0 top
VIA#2400  VAL**  [VIA]  21.7 17 0 top
VIA#2401  VAL**  [VIA]  21.7 16 0 top
VIA#2402  VAL**  [VIA]  21.7 17 0 top
VIA#2403  VAL**  [VIA]  21.7 17 0 top
VIA#2404  VAL**  [VIA]  21.7 15 0 top
VIA#2405  VAL**  [VIA]  21.7 16 0 top
VIA#2406  VAL**  [VIA]  21.7 15 0 top
VIA#2407  VAL**  [VIA]  21.45 13.85 0 top
VIA#2408  VAL**  [VIA]  21.45 13.85 0 top
VIA#2409  VAL**  [VIA]  21.45 13.85 0 top
VIA#2410  VAL**  [VIA]  21.45 13.85 0 top
VIA#2411  VAL**  [VIA]  23.9 16 0 top
VIA#2412  VAL**  [VIA]  23.9 16 0 top
VIA#2413  VAL**  [VIA]  23.9 17 0 top
VIA#2414  VAL**  [VIA]  23.9 17 0 top
VIA#2415  VAL**  [VIA]  23.9 16 0 top
VIA#2416  VAL**  [VIA]  24.75 17.9 0 top
VIA#2417  VAL**  [VIA]  23.9 17 0 top
VIA#2418  VAL**  [VIA]  24.75 17.9 0 top
VIA#2419  VAL**  [VIA]  24.75 17.9 0 top
VIA#2420  VAL**  [VIA]  23.9 17 0 top
VIA#2421  VAL**  [VIA]  24.75 17.9 0 top
VIA#2422  VAL**  [VIA]  21.95 18.25 0 top
VIA#2423  VAL**  [VIA]  21.95 18.25 0 top
VIA#2424  VAL**  [VIA]  21.7 15 0 top
VIA#2425  VAL**  [VIA]  21.7 16 0 top
VIA#2426  VAL**  [VIA]  21.7 17 0 top
VIA#2427  VAL**  [VIA]  21.95 18.25 0 top
VIA#2428  VAL**  [VIA]  21.7 15 0 top
VIA#2429  VAL**  [VIA]  21.95 18.25 0 top
VIA#2430  VAL**  [VIA]  23.9 15 0 top
VIA#2431  VAL**  [VIA]  23.9 16 0 top
VIA#2432  VAL**  [VIA]  23.9 14 0 top
VIA#2433  VAL**  [VIA]  23.9 14 0 top
VIA#2434  VAL**  [VIA]  23.9 15 0 top
VIA#2435  VAL**  [VIA]  23.9 15 0 top
VIA#2436  VAL**  [VIA]  23.9 15 0 top
VIA#2437  VAL**  [VIA]  23.9 14 0 top
VIA#2438  VAL**  [VIA]  24.8 39.95 0 top
VIA#2439  VAL**  [VIA]  25.5 40.55 0 top
VIA#2440  VAL**  [VIA]  25.5 40.55 0 top
VIA#2441  VAL**  [VIA]  25.5 40.55 0 top
VIA#2442  VAL**  [VIA]  25.5 40.55 0 top
VIA#2443  VAL**  [VIA]  24.8 39.95 0 top
VIA#2444  VAL**  [VIA]  24.8 39.95 0 top
VIA#2445  VAL**  [VIA]  24.1 38.2 0 top
VIA#2446  VAL**  [VIA]  24.8 39.95 0 top
VIA#2447  VAL**  [VIA]  24.1 39.2 0 top
VIA#2448  VAL**  [VIA]  24.1 39.2 0 top
VIA#2449  VAL**  [VIA]  24.1 38.2 0 top
VIA#2450  VAL**  [VIA]  24.1 39.2 0 top
VIA#2451  VAL**  [VIA]  24.1 38.2 0 top
VIA#2452  VAL**  [VIA]  23.15 41.8 0 top
VIA#2453  VAL**  [VIA]  22.35 41 0 top
VIA#2454  VAL**  [VIA]  22.35 41 0 top
VIA#2455  VAL**  [VIA]  23.15 41.8 0 top
VIA#2456  VAL**  [VIA]  22.35 41 0 top
VIA#2457  VAL**  [VIA]  23.15 41.8 0 top
VIA#2458  VAL**  [VIA]  23.15 41.8 0 top
VIA#2459  VAL**  [VIA]  22.35 41 0 top
VIA#2460  VAL**  [VIA]  24 42.6 0 top
VIA#2461  VAL**  [VIA]  24.95 43.35 0 top
VIA#2462  VAL**  [VIA]  24.95 43.35 0 top
VIA#2463  VAL**  [VIA]  24.95 43.35 0 top
VIA#2464  VAL**  [VIA]  24 42.6 0 top
VIA#2465  VAL**  [VIA]  24.95 43.35 0 top
VIA#2466  VAL**  [VIA]  24 42.6 0 top
VIA#2467  VAL**  [VIA]  24 42.6 0 top
VIA#2468  VAL**  [VIA]  26.4 23.2 0 top
VIA#2469  VAL**  [VIA]  26.4 22.2 0 top
VIA#2470  VAL**  [VIA]  26.4 22.2 0 top
VIA#2471  VAL**  [VIA]  26.4 23.2 0 top
VIA#2472  VAL**  [VIA]  26.4 23.2 0 top
VIA#2473  VAL**  [VIA]  26.4 22.2 0 top
VIA#2474  VAL**  [VIA]  26.4 23.2 0 top
VIA#2475  VAL**  [VIA]  26.4 22.2 0 top
VIA#2476  VAL**  [VIA]  24.1 31.2 0 top
VIA#2477  VAL**  [VIA]  24.1 30.2 0 top
VIA#2478  VAL**  [VIA]  24.1 31.2 0 top
VIA#2479  VAL**  [VIA]  24.1 29.2 0 top
VIA#2480  VAL**  [VIA]  24.1 30.2 0 top
VIA#2481  VAL**  [VIA]  24.1 29.2 0 top
VIA#2482  VAL**  [VIA]  24.1 29.2 0 top
VIA#2483  VAL**  [VIA]  26.4 25.2 0 top
VIA#2484  VAL**  [VIA]  26.4 24.2 0 top
VIA#2485  VAL**  [VIA]  26.4 24.2 0 top
VIA#2486  VAL**  [VIA]  26.4 25.2 0 top
VIA#2487  VAL**  [VIA]  26.4 25.2 0 top
VIA#2488  VAL**  [VIA]  26.4 25.2 0 top
VIA#2489  VAL**  [VIA]  26.4 24.2 0 top
VIA#2490  VAL**  [VIA]  26.4 24.2 0 top
VIA#2491  VAL**  [VIA]  21.8 39.2 0 top
VIA#2492  VAL**  [VIA]  21.8 39.2 0 top
VIA#2493  VAL**  [VIA]  21.8 40.2 0 top
VIA#2494  VAL**  [VIA]  21.8 40.2 0 top
VIA#2495  VAL**  [VIA]  21.8 40.2 0 top
VIA#2496  VAL**  [VIA]  21.8 40.2 0 top
VIA#2497  VAL**  [VIA]  24.1 37.2 0 top
VIA#2498  VAL**  [VIA]  24.1 37.2 0 top
VIA#2499  VAL**  [VIA]  24.1 36.2 0 top
VIA#2500  VAL**  [VIA]  24.1 36.2 0 top
VIA#2501  VAL**  [VIA]  24.1 36.2 0 top
VIA#2502  VAL**  [VIA]  24.1 36.2 0 top
VIA#2503  VAL**  [VIA]  21.8 34.2 0 top
VIA#2504  VAL**  [VIA]  21.8 35.2 0 top
VIA#2505  VAL**  [VIA]  21.8 35.2 0 top
VIA#2506  VAL**  [VIA]  21.8 34.2 0 top
VIA#2507  VAL**  [VIA]  21.8 35.2 0 top
VIA#2508  VAL**  [VIA]  21.8 34.2 0 top
VIA#2509  VAL**  [VIA]  21.8 35.2 0 top
VIA#2510  VAL**  [VIA]  21.8 38.2 0 top
VIA#2511  VAL**  [VIA]  21.8 39.2 0 top
VIA#2512  VAL**  [VIA]  21.8 38.2 0 top
VIA#2513  VAL**  [VIA]  21.8 39.2 0 top
VIA#2514  VAL**  [VIA]  21.8 38.2 0 top
VIA#2515  VAL**  [VIA]  21.8 38.2 0 top
VIA#2516  VAL**  [VIA]  21.8 36.2 0 top
VIA#2517  VAL**  [VIA]  21.8 37.2 0 top
VIA#2518  VAL**  [VIA]  21.8 36.2 0 top
VIA#2519  VAL**  [VIA]  21.8 37.2 0 top
VIA#2520  VAL**  [VIA]  21.8 36.2 0 top
VIA#2521  VAL**  [VIA]  21.8 37.2 0 top
VIA#2522  VAL**  [VIA]  21.8 36.2 0 top
VIA#2523  VAL**  [VIA]  21.8 37.2 0 top
VIA#2524  VAL**  [VIA]  24.1 35.2 0 top
VIA#2525  VAL**  [VIA]  24.1 34.2 0 top
VIA#2526  VAL**  [VIA]  24.1 35.2 0 top
VIA#2527  VAL**  [VIA]  24.1 35.2 0 top
VIA#2528  VAL**  [VIA]  24.1 35.2 0 top
VIA#2529  VAL**  [VIA]  24.1 39.2 0 top